# Allegro board 038RT-9068CJK8E-A100_0921.brd (continued)
## Routing (per net, layer and track width the routed paths; a pad name or vN(x,y) marks a point on that pad's centre or on a via; arc(x,y) is an arc through that point) (continued)
S0_1_CKXTAL1: length 3.8
  BOTTOM w0.115: K34.5 C169.2 319.71,211.63 Y7.3
S0_1_CKXTAL2: length 6.3
  BOTTOM w0.115: K34.4 C168.2 319.24,214.83 320.12,215.72 320.68,215.72 321.71,214.69 Y7.1
S0_1_INH: length 8.8
  BOTTOM w1.016: K6.4 109.08,38.13 109.08,40.84 110.76,42.53 R362.1
S0_1_NGATE: length 10.6
  BOTTOM w0.61: 240.52,224.66 240.52,221.62 241.47,220.66 244.9,220.66 246.87,222.63
S0_1_P6_HSI+: length 19.9
  L46_SIGNAL w0.185: 235.89,187.36 238.05,187.36 240.77,190.07 244.23,190.07 244.69,189.61 246.58,189.61
  L46_SIGNAL w0.2: 235.89,187.36 v3(235.78,187.24) ; v3(246.69,189.49) 246.58,189.61
  BOTTOM w0.14: K213.31 249.22,189.38 247.89,189.38 247.64,189.63 246.83,189.63 v3(246.69,189.49) ; v3(235.78,187.24) 235.64,187.38 231.1,187.38 K214.12
S0_1_P6_HSI-: length 19.9
  L46_SIGNAL w0.185: 246.58,190.04 244.87,190.04 244.41,190.51 240.59,190.51 237.87,187.79 235.89,187.79
  L46_SIGNAL w0.2: v3(246.69,190.15) 246.58,190.04 ; 235.89,187.79 v3(235.78,187.9)
  BOTTOM w0.14: K213.32 249.22,189.77 248.05,189.77 247.8,190.02 246.83,190.02 v3(246.69,190.15) ; v3(235.78,187.9) 235.64,187.77 231.1,187.77 K214.11
S0_1_P6_HSO+: length 123
  BOTTOM w0.14: K217.11 139.06,203.57 142.23,203.57 151.12,212.45 210.16,212.45 222.53,200.08 235,200.08 243.07,192.02 246.93,192.02 248.18,190.77 249.22,190.77 K213.34
S0_1_P6_HSO-: length 123
  BOTTOM w0.14: K213.33 249.22,190.38 248.01,190.38 246.76,191.63 242.91,191.63 234.84,199.69 222.37,199.69 210,212.06 151.28,212.06 142.4,203.18 139.06,203.18 K217.12
S0_1_P7_HSI+: length 22.4
  BOTTOM w0.14: K213.22 249.22,184.88 248.44,184.88 248.3,184.74 248.3,182.63 247.29,181.63 242.44,181.63 238.69,185.38 231.1,185.38 K214.16
S0_1_P7_HSI-: length 22.4
  BOTTOM w0.14: K213.23 249.22,185.27 248.28,185.27 247.91,184.9 247.91,182.8 247.13,182.02 242.6,182.02 238.85,185.77 231.1,185.77 K214.15
S0_1_P7_HSO+: length 127.4
  BOTTOM w0.14: K217.15 139.06,201.57 145.22,201.57 152.93,209.28 208.58,209.28 219.55,198.31 232.3,198.31 239.39,191.22 239.39,188.2 243.82,183.77 246.51,183.77 247.12,184.38 247.12,185.23 248.16,186.27 249.22,186.27 K213.25
S0_1_P7_HSO-: length 127.4
  BOTTOM w0.14: K213.24 249.22,185.88 248.32,185.88 247.51,185.07 247.51,184.22 246.67,183.38 243.65,183.38 239,188.04 239,191.06 232.13,197.92 219.38,197.92 208.42,208.89 153.1,208.89 145.38,201.18 139.06,201.18 K217.16
S0_1_PGATE: length 13.8
  BOTTOM w0.61: CMOS1.4 237.98,221.3 241.73,217.55 K11.5
S0_1_WAKE: length 2.2
  TOP w0.115: R276.1 K82.5
S0_2_GPIOA1: length 1.8
  BOTTOM w0.115: K124.3 R328.2
S0_2_GPIOA2: length 1.8
  BOTTOM w0.115: K124.6 R327.2
S0_AVDD09: length 14.2
  TOP w0.508: S0_AVDD09.1 279.89,179.48 280.93,180.52 280.93,186.72 279.79,187.86 279.79,190.78 v1(279.98,190.97)
  vias: v1(279.98,191.6) v1(280.5,210.22) v1(280.5,199.82) v1(281.3,210.22) v1(281.3,199.82) v1(282.9,200.62) v1(283.7,213.42) v1(283.7,211.02) v1(283.7,199.82) v1(284.5,199.82) v1(285.3,199.82) v1(286.1,199.82) v1(286.9,209.42) v1(286.9,200.62) v1(287.7,209.42) v1(287.7,201.42) v1(288.5,201.42) v1(289.3,211.82) v1(289.3,211.02) v1(289.3,210.22) v1(290.1,211.02) v1(290.1,210.22)
S0_AVDD09_VO09: length 6.2
  TOP w3.048: K4.8 175.41,54.23 RD21.1
S0_AVDD33: length 19.2
  TOP w0.508: v1(273.96,201.85) 272.25,200.14 259.69,200.14 259.5,199.95 S0_AVDD33.1
  vias: v1(274.6,201.85) v1(280.5,211.82) v1(280.5,211.02) v1(281.3,211.02) v1(281.3,208.62) v1(282.1,211.02) v1(282.1,210.22) v1(282.9,211.02) v1(282.9,210.22) v1(283.7,209.42) v1(284.5,201.42) v1(285.3,201.42) v1(286.1,210.22) v1(286.9,212.62) v1(287.7,212.62) v1(288.5,212.62) v1(289.3,209.42) v1(289.3,208.62) v1(289.3,201.42) v1(290.1,209.42) v1(290.1,208.62) v1(290.1,201.42) v1(290.1,199.82) v1(290.9,212.62) v1(291.7,212.62)
S0_AVDD33_MOSFET: length 17.6
  L15_SIGNAL w0.102: 277.8,207.42 280.9,207.42 v1(281.3,207.02)
  L15_SIGNAL w0.203: 277.8,207.42 277.53,207.69 272.2,207.69 269.34,210.55 268.47,210.55 268.16,210.23 268.16,209.19 268.49,208.86 v2(268.97,208.86)
  BOTTOM w0.203: ST5.1 v2(268.97,208.86)
  vias: v1(239.25,225.29) v1(239.25,224.66) v1(239.25,224.02) v1(239.25,223.39) v1(239.25,222.75) v1(239.25,222.12) v1(272.88,210.44) v1(272.88,209.81) v1(272.88,209.17) v1(273.51,210.44) v1(273.51,209.81) v1(273.51,209.17)
S0_CHR_FE_MDI+: length 4
  TOP w0.105: K58.4 60.92,159.13 61.05,158.99 61.05,156.83 R130.1
S0_CHR_FE_MDI-: length 4
  TOP w0.105: R130.2 61.52,156.83 61.52,158.99 61.65,159.13 K58.5
S0_CHR_FE_MDIX+: length 4
  TOP w0.105: R126.1 54.01,156.83 54.01,158.99 53.88,159.13 K54.4
S0_CHR_FE_MDIX-: length 4
  TOP w0.105: K54.5 54.61,159.13 54.47,158.99 54.47,156.83 R126.2
S0_CKXTAL1: length 29.2
  TOP w0.115: SITE0.A13 287.7,214.23 288.1,214.63 305.09,214.63 306.6,213.12 313.19,213.12 K34.6
S0_CKXTAL2: length 30.3
  TOP w0.115: K34.3 313.61,215.9 287.54,215.9 286.9,215.26 SITE0.A12
S0_DCH_AT+: length 47.7
  L46_SIGNAL w0.102: v1(289.3,212.62) 289.7,213.02 289.7,213.7
  L46_SIGNAL w0.136: 289.7,213.7 289.84,213.84 289.84,214.76 290.41,215.33 303.28,215.33 306,218.05 319.31,218.05 321.76,220.49 324.13,220.49 325.89,218.73 326.31,218.73 326.44,218.87 326.44,222.32 v1(326.57,222.44)
  BOTTOM w0.115: v1(326.57,222.44) MUX15.2
S0_DCH_AT-: length 47.7
  L46_SIGNAL w0.102: v1(290.1,212.62) 290.5,213.02 290.5,213.69
  L46_SIGNAL w0.136: v1(326.57,214.57) 326.44,214.7 326.44,218.14 326.31,218.28 325.71,218.28 323.94,220.04 321.94,220.04 320.96,219.06 320.96,218.83 321.12,218.67 321.12,218.44 320.96,218.28 320.73,218.28 320.57,218.45 320.35,218.45 319.5,217.6 306.18,217.6 303.47,214.88 290.6,214.88 290.29,214.57 290.29,213.9 290.5,213.69
  BOTTOM w0.115: v1(326.57,214.57) MUX15.11
S0_DCH_P4_HSI+: length 252
  L38_SIGNAL w0.1: v1(338.32,279.59) 338.32,275.94 338.22,275.84 337.53,275.84 336.29,274.6 336.29,273.47 328.31,265.49 328.31,265.49 321.46,258.64 321.46,245.97 313.59,238.1 213.19,238.1 210.76,235.67 165.91,235.67 162.88,232.64 134.2,232.64 133.14,231.57 133.14,228.44 130.17,225.48 130.17,224.04 130.62,223.6 131.92,223.6 v1(132.06,223.45)
  BOTTOM w0.105: K184.33 135.01,222.3 133.18,222.3 132.67,222.8 132.67,223.28 132.41,223.55 132.16,223.55 v1(132.06,223.45)
  BOTTOM w0.115: v1(338.32,279.59) MUX1.2
S0_DCH_P4_HSI-: length 252
  L38_SIGNAL w0.1: v1(132.06,224.11) 131.92,223.96 130.77,223.96 130.53,224.19 130.53,225.33 131.45,226.25 131.62,226.25 131.76,226.1 131.93,226.1 132.04,226.22 132.04,226.38 131.9,226.53 131.9,226.69 132.02,226.81 132.18,226.81 132.33,226.67 132.49,226.67 132.61,226.79 132.61,226.95 132.47,227.1 132.47,227.26 133.5,228.29 133.5,231.42 134.35,232.28 163.03,232.28 166.06,235.31 210.91,235.31 213.34,237.74 313.75,237.74 321.82,245.82 321.82,258.49 336.66,273.32 336.66,274.45 337.68,275.47 338.22,275.47 338.32,275.37 v1(338.32,271.72)
  BOTTOM w0.105: v1(132.06,224.11) 132.16,224.01 132.6,224.01 133.14,223.47 133.14,222.99 133.37,222.76 135.01,222.76 K184.34
  BOTTOM w0.115: v1(338.32,271.72) MUX1.11
S0_DCH_P4_HSO+: length 247.7
  L38_SIGNAL w0.1: v1(132.06,221.45) 131.92,221.6 130.76,221.6 130.49,221.32 130.49,220.53 131.03,219.98 131.88,219.98 132,220.1 132,220.3 132.12,220.42 132.28,220.42 132.4,220.3 132.4,220.1 132.52,219.98 132.68,219.98 132.8,220.1 132.8,220.3 132.92,220.42 133.08,220.42 133.2,220.3 133.2,220.1 133.32,219.98 134.65,219.98 135.34,220.67 135.34,224.46 138.62,227.74 162.04,227.74 164.83,230.52 196.18,230.52 197.92,232.26 211.61,232.26 214.76,235.41 309.44,235.41 322.5,222.35 322.5,215.41 323.32,214.6 323.32,209.64 324.9,208.06 324.9,202.83 324.39,202.31 324.39,197.48 326.03,195.83 326.47,195.83 326.57,195.93 v1(326.57,199.58)
  BOTTOM w0.105: K184.31 135.01,221.3 132.73,221.3 132.48,221.55 132.16,221.55 v1(132.06,221.45)
  BOTTOM w0.115: v1(326.57,199.58) MUX2.2
S0_DCH_P4_HSO-: length 247.7
  L38_SIGNAL w0.1: v1(326.57,191.71) 326.57,195.36 326.47,195.46 325.88,195.46 324.85,196.5 324.85,196.5 324.02,197.33 324.02,202.46 324.54,202.98 324.54,207.91 322.96,209.49 322.96,214.45 322.14,215.26 322.14,222.2 309.29,235.05 214.91,235.05 211.76,231.9 198.07,231.9 196.33,230.16 164.98,230.16 162.2,227.37 138.77,227.37 135.71,224.31 135.71,220.52 134.8,219.62 130.88,219.62 130.12,220.37 130.12,221.47 130.61,221.96 131.92,221.96 v1(132.06,222.11)
  BOTTOM w0.105: K184.32 135.01,221.76 132.93,221.76 132.68,222.01 132.16,222.01 v1(132.06,222.11)
  BOTTOM w0.115: v1(326.57,191.71) MUX2.11
S0_DCH_P5_HSI+: length 260.6
  L38_SIGNAL w0.1: v1(132.06,214.43) 131.92,214.58 128.54,214.58 127.69,215.43 127.69,232.96 133.77,239.04 167.64,239.04 168.35,238.32 208.94,238.32 210.7,240.09 306.88,240.09 318.05,251.26 318.05,264.81 322.83,269.59 322.83,272.38 326.29,275.84 326.85,275.84 326.95,275.94 v1(326.95,279.59)
  BOTTOM w0.105: v1(132.06,214.43) 132.16,214.53 132.71,214.53 133.3,215.13 133.3,216.9 134.2,217.8 135.01,217.8 K184.24
  BOTTOM w0.115: v1(326.95,279.59) MUX3.2
S0_DCH_P5_HSI-: length 260.6
  L38_SIGNAL w0.1: v1(326.95,271.72) 326.95,275.37 326.85,275.47 326.44,275.47 323.19,272.23 323.19,269.44 318.41,264.66 318.41,251.11 307.03,239.73 210.85,239.73 209.09,237.96 168.2,237.96 167.48,238.68 133.92,238.68 128.05,232.81 128.05,223.26 128.17,223.15 128.37,223.15 128.49,223.03 128.49,222.86 128.37,222.75 128.17,222.75 128.05,222.63 128.05,222.46 128.17,222.35 128.37,222.35 128.49,222.23 128.49,222.06 128.37,221.95 128.17,221.95 128.05,221.83 128.05,215.58 128.69,214.94 131.92,214.94 v1(132.06,215.09)
  BOTTOM w0.105: v1(132.06,215.09) 132.16,214.99 132.51,214.99 132.84,215.32 132.84,217.09 134.01,218.26 135.01,218.26 K184.25
  BOTTOM w0.115: v1(326.95,271.72) MUX3.11
S0_DCH_P5_HSO+: length 237.1
  L40_SIGNAL w0.1: v1(132.06,212.43) 131.92,212.58 130.86,212.58 130.39,212.12 130.39,211.53 131,210.93 133,210.93 134.54,209.39 135.57,209.39 135.69,209.51 135.69,209.86 135.8,209.98 135.97,209.98 136.09,209.86 136.09,209.51 136.2,209.39 136.37,209.39 136.49,209.51 136.49,209.86 136.6,209.98 136.77,209.98 136.89,209.86 136.89,209.51 137,209.39 173.67,209.39 180.56,216.28 180.56,231.3 186.6,237.34 234.87,237.34 237.47,239.94 315.91,239.94 319.61,243.64 323.61,243.64 325.43,241.83 326.7,241.83 326.89,242.02 v1(326.89,245.3)
  BOTTOM w0.105: v1(132.06,212.43) 132.16,212.53 132.91,212.53 134.31,213.93 134.31,216.61 134.5,216.8 135.01,216.8 K184.22
  BOTTOM w0.115: v1(326.89,245.3) MUX4.2
S0_DCH_P5_HSO-: length 237.1
  L40_SIGNAL w0.1: v1(326.89,237.43) 326.89,241.35 326.78,241.46 325.28,241.46 323.46,243.28 319.76,243.28 316.06,239.58 237.62,239.58 235.02,236.98 186.75,236.98 180.92,231.15 180.92,216.13 173.82,209.03 134.39,209.03 132.85,210.57 130.85,210.57 130.03,211.38 130.03,212.27 130.71,212.94 131.92,212.94 v1(132.06,213.09)
  BOTTOM w0.105: K184.23 135.01,217.26 134.3,217.26 133.85,216.8 133.85,214.13 132.71,212.99 132.16,212.99 v1(132.06,213.09)
  BOTTOM w0.115: v1(326.89,237.43) MUX4.11
S0_DCH_P6_CLKREQB: length 319.6
  L09_SIGNAL w0.105: K211.4 189.51,60.48 202.69,73.66 249.7,73.66 254.15,78.1 277.64,78.1 289.25,89.71 289.25,142.41 318.02,171.19 318.02,196.59 319.29,197.86 319.29,206.98 323.09,210.79 323.09,215.53 321.19,217.43 321.19,220.72 321.83,221.35 321.83,226.32 318.02,230.13 318.02,257.55 319.55,259.08 326.47,259.08 327.45,260.06 327.45,260.52 326.89,261.07 v1(326.89,268.16)
  BOTTOM w0.115: v1(326.89,268.16) MUX11.2
S0_DCH_P6_HSI+: length 186
  L11_SIGNAL w0.14: 338.18,207.27 337.42,207.27 331.94,212.75 324.42,212.75 318.93,207.26 318.93,198.75 317.03,196.85 317.03,190.65 306.28,179.91 232.55,179.91 231.23,181.23 231.23,196.65 229.37,198.5 222.69,198.5 219.74,195.55 219.74,185.24 221.36,183.63 222.7,183.63
  L11_SIGNAL w0.15: v1(338.32,211.01) 338.32,207.41 338.18,207.27 ; 222.7,183.63 v1(222.83,183.49)
  BOTTOM w0.115: v1(338.32,211.01) MUX6.2
  BOTTOM w0.14: v1(222.83,183.49) 222.97,183.63 223.83,183.63 226.08,185.88 227.01,185.88 K214.24
S0_DCH_P6_HSI-: length 186
  L11_SIGNAL w0.14: 222.69,184.02 221.52,184.02 220.13,185.41 220.13,187.06 220.3,187.23 220.49,187.23 220.65,187.39 220.65,187.62 220.49,187.78 220.3,187.78 220.13,187.95 220.13,188.18 220.3,188.34 220.49,188.34 220.65,188.51 220.65,188.74 220.49,188.9 220.3,188.9 220.13,189.07 220.13,195.39 222.85,198.11 229.21,198.11 230.84,196.49 230.84,181.07 232.38,179.52 306.44,179.52 317.42,190.49 317.42,196.69 319.32,198.59 319.32,207.1 324.58,212.36 331.78,212.36 337.26,206.88 338.18,206.88
  L11_SIGNAL w0.15: 338.18,206.88 338.32,206.74 v1(338.32,203.14) ; 222.69,184.02 v1(222.83,184.15)
  BOTTOM w0.115: v1(338.32,203.14) MUX6.11
  BOTTOM w0.14: v1(222.83,184.15) 222.97,184.02 223.67,184.02 225.92,186.27 227.01,186.27 K214.25
S0_DCH_P6_HSO+: length 247.5
  L40_SIGNAL w0.14: 130.42,198.8 134.03,198.8 135.38,200.15 139.42,200.15 140.95,201.68 181.71,201.68 196.08,216.04 196.08,230.33 200.78,235.04 234.83,235.04 237.46,237.67 322.84,237.67 323.76,236.75 333.01,236.75 337.82,241.56 338.18,241.56
  L40_SIGNAL w0.15: v1(130.29,198.94) 130.42,198.8 ; v1(338.32,245.3) 338.32,241.7 338.18,241.56
  BOTTOM w0.115: v1(338.32,245.3) MUX7.2
  BOTTOM w0.14: v1(130.29,198.94) 130.42,198.8 131.76,198.8 132.74,199.78 132.74,201.1 133.71,202.07 134.97,202.07 K217.25
S0_DCH_P6_HSO-: length 247.5
  L40_SIGNAL w0.14: 130.42,198.41 134.19,198.41 135.54,199.76 139.58,199.76 141.11,201.29 181.87,201.29 196.47,215.88 196.47,230.17 200.94,234.65 234.99,234.65 237.62,237.28 322.68,237.28 323.6,236.36 333.17,236.36 337.99,241.17 338.18,241.17
  L40_SIGNAL w0.15: v1(338.32,237.43) 338.32,241.03 338.18,241.17 ; v1(130.29,198.28) 130.42,198.41
  BOTTOM w0.115: v1(338.32,237.43) MUX7.11
  BOTTOM w0.14: K217.24 134.97,201.68 133.87,201.68 133.13,200.94 133.13,199.62 131.92,198.41 130.42,198.41 v1(130.29,198.28)
S0_DCH_P6_ISOLATEB: length 222.3
  L09_SIGNAL w0.105: K220.4 259.48,59.71 259.48,66.04 265.83,72.39 277.53,72.39 293.06,87.91 293.06,140.62 343.16,190.72 343.16,208.87 341.74,210.29 341.74,215.93 340.88,216.8 340.88,231.68 338.68,233.87 v1(338.32,233.87)
  BOTTOM w0.115: v1(338.32,233.87) MUX13.2
S0_DCH_P6_LANWAKEB: length 324.8
  L09_SIGNAL w0.105: K212.4 195.72,60.48 207.63,72.39 250.23,72.39 254.67,76.84 278.17,76.84 290.52,89.18 290.52,141.89 319.29,170.66 319.29,196.06 320.56,197.33 320.56,206.46 324.36,210.26 324.36,216.06 322.46,217.96 322.46,220.19 323.1,220.83 323.1,226.85 319.29,230.66 319.29,257.02 320.08,257.81 336.63,257.81 338.88,260.06 338.88,260.52 338.32,261.07 v1(338.32,268.16)
  BOTTOM w0.115: v1(338.32,268.16) MUX12.2
S0_DCH_P6_PCIE_RESETB: length 213.4
  L09_SIGNAL w0.105: K221.4 253.27,59.71 253.27,66.04 260.89,73.66 277.01,73.66 291.79,88.44 291.79,141.14 340.24,189.6 340.24,215.27 338.32,217.18 v1(338.32,222.44)
  BOTTOM w0.115: v1(338.32,222.44) MUX14.2
S0_DCH_P6_REFCLK_100M+: length 144.4
  L11_SIGNAL w0.1: v1(224.1,192.15) 224.25,192 225.76,192 226.78,190.98 226.78,181.91 232.5,176.2 308.44,176.2 321.47,189.23 321.47,202.88 325.85,207.26 326.47,207.26 326.57,207.36 v1(326.57,211.01)
  BOTTOM w0.105: K214.34 227.05,190.81 225.89,190.81 224.64,192.05 224.2,192.05 v1(224.1,192.15)
  BOTTOM w0.115: v1(326.57,211.01) MUX5.2
S0_DCH_P6_REFCLK_100M-: length 144.4
  L11_SIGNAL w0.1: v1(326.57,203.14) 326.57,206.79 326.47,206.89 326,206.89 321.84,202.73 321.84,189.08 308.59,175.84 232.34,175.84 226.42,181.76 226.42,190.83 225.61,191.64 224.25,191.64 v1(224.1,191.49)
  BOTTOM w0.105: K214.33 227.05,190.34 225.7,190.34 224.45,191.59 224.2,191.59 v1(224.1,191.49)
  BOTTOM w0.115: v1(326.57,203.14) MUX5.11
S0_DCH_P7_CLKREQB: length 314
  L09_SIGNAL w0.105: v1(326.89,260.29) 326.32,259.71 319.29,259.71 317.38,257.81 317.38,229.87 321.19,226.06 321.19,221.62 320.56,220.98 320.56,217.17 322.46,215.27 322.46,211.05 318.65,207.25 318.65,198.12 317.38,196.85 317.38,171.45 288.61,142.68 288.61,89.97 277.38,78.74 253.88,78.74 249.44,74.29 200.13,74.29 186.31,60.48 K211.5
  BOTTOM w0.115: v1(326.89,260.29) MUX11.11
S0_DCH_P7_HSI+: length 146.5
  L11_SIGNAL w0.14: 223.97,181.63 222.57,181.63 222.16,181.21 222.16,180.35 222.32,180.19 222.52,180.19 222.69,180.02 222.69,179.79 222.52,179.63 222.32,179.63 222.16,179.46 222.16,179.23 222.32,179.07 222.52,179.07 222.69,178.9 222.69,178.67 222.52,178.51 222.32,178.51 222.16,178.34 222.16,176.89 226.48,172.57 314.22,172.57 337.52,195.87 338.18,195.87
  L11_SIGNAL w0.15: v1(338.32,199.58) 338.32,196.01 338.18,195.87 ; 223.97,181.63 v1(224.1,181.49)
  BOTTOM w0.115: v1(338.32,199.58) MUX9.2
  BOTTOM w0.14: K214.22 227.01,184.88 226.23,184.88 225.74,184.39 225.74,182.55 224.82,181.63 224.24,181.63 v1(224.1,181.49)
S0_DCH_P7_HSI-: length 146.5
  L11_SIGNAL w0.14: 223.96,182.02 222.41,182.02 221.77,181.37 221.77,176.72 226.31,172.18 314.38,172.18 337.68,195.48 338.18,195.48
  L11_SIGNAL w0.15: 338.18,195.48 338.32,195.34 v1(338.32,191.71) ; 223.96,182.02 v1(224.1,182.15)
  BOTTOM w0.115: v1(338.32,191.71) MUX9.11
  BOTTOM w0.14: v1(224.1,182.15) 224.24,182.02 224.66,182.02 225.35,182.71 225.35,184.55 226.06,185.27 227.01,185.27 K214.23
S0_DCH_P7_HSO+: length 276.1
  L40_SIGNAL w0.14: 131.93,196.8 129.02,196.8 128.43,197.4 128.43,213.96 133.34,218.88 133.34,222.34 138.79,227.78 161.79,227.78 173.32,239.31 234.03,239.31 237.73,243.01 252.3,243.01 253.73,241.59 256.26,241.59 258.07,243.4 273.6,243.4 276.99,246.79 292.31,246.79 294.34,244.77 316.8,244.77 317.59,245.55 319.23,247.19 321.55,247.19 332.34,257.98 334.74,257.98 334.91,257.81 334.91,257.52 335.07,257.36 335.3,257.36 335.47,257.52 335.47,257.81 335.63,257.98 335.86,257.98 336.03,257.81 336.03,257.52 336.19,257.36 336.42,257.36 336.59,257.52 336.59,257.81 336.75,257.98 336.98,257.98 337.15,257.81 337.15,257.52 337.31,257.36 337.54,257.36 337.71,257.52 337.71,257.81 337.87,257.98 339.66,257.98 340.26,257.38 340.26,254.31 338.94,252.99 338.46,252.99
  L40_SIGNAL w0.15: v1(338.32,256.73) 338.32,253.13 338.46,252.99 ; v1(132.06,196.94) 131.93,196.8
  BOTTOM w0.115: v1(338.32,256.73) MUX10.2
  BOTTOM w0.14: v1(132.06,196.94) 132.2,196.8 133.09,196.8 133.73,197.44 133.73,200.62 134.18,201.07 134.97,201.07 K217.23
S0_DCH_P7_HSO-: length 276.1
  L40_SIGNAL w0.14: 338.46,252.6 339.1,252.6 340.65,254.15 340.65,257.54 339.82,258.37 332.17,258.37 321.39,247.58 319.07,247.58 316.64,245.16 294.5,245.16 292.47,247.18 276.83,247.18 273.43,243.79 257.91,243.79 256.09,241.98 253.89,241.98 252.47,243.4 237.57,243.4 233.87,239.7 173.16,239.7 161.63,228.17 138.62,228.17 132.95,222.5 132.95,219.04 128.04,214.12 128.04,197.24 128.86,196.41 131.93,196.41
  L40_SIGNAL w0.15: v1(338.32,248.86) 338.32,252.46 338.46,252.6 ; v1(132.06,196.28) 131.93,196.41
  BOTTOM w0.115: v1(338.32,248.86) MUX10.11
  BOTTOM w0.14: K217.22 134.97,200.68 134.34,200.68 134.12,200.46 134.12,197.28 133.25,196.41 132.2,196.41 v1(132.06,196.28)
S0_DCH_P7_ISOLATEB: length 215
  L09_SIGNAL w0.105: v1(338.32,226) 340.24,224.08 340.24,216.53 340.88,215.9 340.88,189.34 292.42,140.88 292.42,88.18 277.27,73.03 263.27,73.03 256.28,66.04 256.28,59.71 K220.5
  BOTTOM w0.115: v1(338.32,226) MUX13.11
S0_DCH_P7_LANWAKEB: length 319.2
  L09_SIGNAL w0.105: v1(338.32,260.29) 336.48,258.44 319.81,258.44 318.65,257.28 318.65,230.4 322.46,226.59 322.46,221.09 321.83,220.45 321.83,217.7 323.73,215.8 323.73,210.53 319.92,206.72 319.92,197.59 318.65,196.32 318.65,170.92 289.88,142.15 289.88,89.45 277.9,77.47 254.41,77.47 249.96,73.03 205.07,73.03 192.52,60.48 K212.5
  BOTTOM w0.115: v1(338.32,260.29) MUX12.11
S0_DCH_P7_PCIE_RESETB: length 206.6
  L09_SIGNAL w0.105: v1(338.32,214.57) 333.89,210.14 333.89,184.15 291.15,141.41 291.15,88.7 276.74,74.29 258.33,74.29 250.07,66.04 250.07,59.71 K221.5
  BOTTOM w0.115: v1(338.32,214.57) MUX14.11
S0_DCH_P7_REFCLK_100M+: length 186.6
  L13_SIGNAL w0.1: v1(222.83,190.15) 222.98,190 223.64,190 226.84,186.81 226.84,182.38 229.08,180.14 312.53,180.14 317.57,185.18 317.57,197.42 320.4,200.25 320.4,208.13 322.89,210.62 322.89,215.53 321.59,216.83 321.59,248.1 326.46,252.98 326.79,252.98 326.89,253.08 v1(326.89,256.73)
  BOTTOM w0.105: K214.32 227.05,189.81 224.81,189.81 224.56,190.05 222.93,190.05 v1(222.83,190.15)
  BOTTOM w0.115: v1(326.89,256.73) MUX8.2
S0_DCH_P7_REFCLK_100M-: length 186.6
  L13_SIGNAL w0.1: v1(222.83,189.49) 222.98,189.64 223.49,189.64 226.47,186.66 226.47,182.23 228.93,179.78 312.68,179.78 317.93,185.02 317.93,197.27 320.76,200.1 320.76,207.98 323.25,210.47 323.25,215.68 321.95,216.98 321.95,247.95 326.61,252.61 326.79,252.61 326.89,252.51 v1(326.89,248.86)
  BOTTOM w0.105: v1(222.83,189.49) 222.93,189.59 224.36,189.59 224.61,189.34 227.05,189.34 K214.31
  BOTTOM w0.115: v1(326.89,248.86) MUX8.11
S0_DISB: length 56.2
  L07_SIGNAL w0.105: v1(225.31,206.2) 227.17,204.34 236.8,204.34 241.05,200.08 275.96,200.08 v1(278.1,202.22)
S0_DPS_AVDD09: length 0.8
  TOP w0.203: ST2.1 v2(180.47,38.96)
  vias: v2(178.46,40.18) v2(178.46,38.91) v2(178.46,37.64) v2(178.46,35.61) v2(178.46,34.34) v2(178.46,33.07) v2(180.75,30.78) v2(180.75,29.51) v2(180.75,28.24) v2(180.75,26.34) v2(180.75,25.07) v2(180.75,23.8) v2(180.8,37.01) v2(180.8,34.49) v2(182.02,30.78) v2(182.02,29.51) v2(182.02,28.24) v2(182.02,26.34) v2(182.02,25.07) v2(182.02,23.8)
